# Allegro board 038RT-9068CJK8E-A100_0921.brd (continued)
## Routing (per net, layer and track width the routed paths; a pad name or vN(x,y) marks a point on that pad's centre or on a via; arc(x,y) is an arc through that point) (continued)
SG2_C_P7_HSO-: length 108.5
  TOP w0.14: v1(224.1,248.15) 224.02,248.08 arc(223.96,248.03) 223.88,248.02 220.34,248.02 arc(220.23,248.04) 220.12,248.11 213.65,254.59 arc(213.42,254.74) 213.15,254.79 130.67,254.79 arc(130.55,254.81) 130.45,254.88 126.14,259.19 arc(125.91,259.35) 125.64,259.4 124.17,259.4 arc(123.93,259.45) 123.73,259.58 UNK2CS111.1
  BOTTOM w0.14: UNK2K214.29 227.01,248.27 225.68,248.27 225.43,248.02 224.24,248.02 v1(224.1,248.15)
SG2_CKXTAL1: length 13.2
  BOTTOM w0.115: v1(85.4,268.62) 84.84,268.62 84.25,269.21 84.25,274.15 85.34,275.24 UNK2C75.2 85.34,279.77 UNK2Y6.3
SG2_CKXTAL2: length 19.2
  BOTTOM w0.115: v1(85.4,267.82) 84.18,267.82 83.22,268.78 83.22,274.58 84.31,275.67 UNK2C76.2 84.31,279.27 84.06,279.51 82.72,279.51 82.41,279.81 82.41,281.49 82.58,281.66 UNK2Y6.1
SG2_DCH_TDO: length 262.3
  L46_SIGNAL w0.102: 100.22,263.41 100.21,263.42 91.59,263.42 91.4,263.61 91.4,270.62 v1(91,271.02)
  L46_SIGNAL w0.145: v1(327.87,233.87) 323.77,237.97 297.15,237.97 292.49,242.63 268.92,242.63 252.69,258.87 157.15,258.87 152.4,254.13 130.31,254.13 124.99,259.45 107.29,259.45 104.24,262.5 101.13,262.5 100.22,263.41
  BOTTOM w0.115: v1(327.87,233.87) MUX16.4
SG2_DISB: length 26.9
  L03_SIGNAL w0.145: v2(110.98,238.11) 110.39,238.71 110.39,240.78 101,250.17 101,253 96.6,257.4 v1(96.6,259.02)
SG2_DVDD09: length 25.1
  TOP w0.508: SG2_DVDD09.1 126.86,266.98 126.07,267.77 119.35,267.77 118.98,267.4 107.27,267.4 v1(106.36,268.31)
  vias: v1(87,267.82) v1(87,266.22) v1(87,265.42) v1(89.4,267.02) v1(89.4,266.22) v1(89.4,265.42) v1(90.2,264.62) v1(91,265.42) v1(91,260.62) v1(91.8,265.42) v1(91.8,260.62) v1(92.6,265.42) v1(93.4,265.42) v1(94.2,267.82) v1(94.2,267.02) v1(94.2,266.22) v1(95,267.82) v1(95,267.02) v1(95,266.22) v1(104.07,267.79) v1(104.9,267.79) v1(105.73,268.31)
SG2_DVDD33: length 20.4
  TOP w0.508: v1(107.81,277.04) 108.66,276.2 118.03,276.2 119.13,277.29 125.47,277.29 SG2_DVDD33.1
  vias: v1(94.2,268.62) v1(95,271.82) v1(95,269.42) v1(95,268.62) v1(98.22,269.42) v1(106.35,276.52) v1(107.18,277.04)
SG2_FE_LED0: length 26.9
  L05_SIGNAL w0.102: v1(95,270.22) 95.4,270.62 95.4,273.84
  L05_SIGNAL w0.105: 95.4,273.84 95.4,275.44 98.35,278.39 98.35,288.06 97.72,288.68 97.72,294.71 v2(98.28,295.26)
SG2_FE_LED1: length 26.9
  L05_SIGNAL w0.102: 96.12,274.52 96.12,273.81 96.2,273.74 96.2,270.62 v1(95.8,270.22)
  L05_SIGNAL w0.105: 96.12,274.52 96.12,275.14 99.07,278.09 99.07,287.86 99.54,288.33 99.54,294.62 v2(100.19,295.26)
SG2_GPIO_VDDIO: length 22.8
  TOP w0.508: v1(109.99,258.03) 111.97,258.03 114.12,255.88 114.12,253.33 118.4,249.04 125.14,249.04 SG2_GPIO_VDDIO.1
  vias: v1(93.4,263.82) v1(94.2,265.42) v1(94.2,263.02) v1(94.2,260.62) v1(95.8,265.42) v1(95.8,260.62) v1(96.6,270.22) v1(96.6,263.02) v1(97.4,263.02) v1(97.4,260.62) v1(109.36,258.03)
SG2_GPIOA_0: length 34.2
  L09_SIGNAL w0.105: v2(124.95,263.2) 123.05,261.29 121.6,261.29 119.32,259.01 108.82,259.01 107.78,257.97 94.45,257.97 v1(93.4,259.02)
SG2_GPIOA_1: length 47.2
  L03_SIGNAL w0.145: v1(94.2,259.02) 94.4,258.82 94.4,256.64 95.86,255.18 95.86,253.48 98.96,250.38 98.96,247.46 v2(105.9,240.52)
  L09_SIGNAL w0.105: v2(128.76,238.11) 127.99,238.89 107.53,238.89 v2(105.9,240.52)
SG2_GPIOA_2: length 44.5
  L03_SIGNAL w0.145: v2(107.17,240.52) 99.56,248.14 99.56,250.63 96.45,253.73 96.45,255.43 95,256.89 v1(95,259.02)
  L09_SIGNAL w0.105: v2(107.17,240.52) 107.95,241.3 126.72,241.3 v2(127.49,240.52)
SG2_GPIOA_3: length 28.1
  L03_SIGNAL w0.145: v2(109.71,238.11) 109.04,238.79 109.04,240.88 100.2,249.72 100.2,252.67 95.8,257.07 v1(95.8,259.02)
  BOTTOM w0.115: UNK2R552.2 v2(109.71,238.11)
SG2_GPIOB_0: length 27
  L03_SIGNAL w0.102: 93,258.8 93,259.42 v1(93.4,259.82)
  L03_SIGNAL w0.145: v2(102.09,238.11) 101.46,238.75 101.46,241 96.47,245.99 96.47,248.7 93.77,251.41 93.77,255.25 93,256.02 93,258.8
  BOTTOM w0.115: UNK2R264.1 v2(102.09,238.11)
SG2_GPIOB_1: length 27.8
  L03_SIGNAL w0.102: 93.8,258.8 93.8,259.42 v1(94.2,259.82)
  L03_SIGNAL w0.145: 93.8,258.8 93.8,256.35 94.57,255.58 94.57,252.29 98.24,248.62 98.24,246.67 104,240.91 104,238.75 v2(104.63,238.11)
  BOTTOM w0.115: UNK2R62.1 v2(104.63,238.11)
SG2_GPIOB_2: length 44.2
  L03_SIGNAL w0.102: 100.22,261.02 95.52,261.02 95.4,260.89 95.4,260.22 v1(95,259.82)
  L03_SIGNAL w0.145: 100.22,261.02 102.5,261.02 108.47,255.06 112.24,255.06 115.98,251.31 115.98,242.23 116.7,241.51 116.7,239.7 117.56,238.85 121.68,238.85 v2(122.41,238.11)
SG2_GPIOC_0: length 26.7
  L05_SIGNAL w0.102: v1(93.4,261.42) 93.8,261.02 93.8,258.6
  L05_SIGNAL w0.105: 93.8,258.6 93.8,256.45 94.51,255.73 94.51,245.01 97.67,241.86 97.67,238.73 v2(98.28,238.11)
  BOTTOM w0.115: UNK2R568.1 v2(98.28,238.11)
SG2_GPIOC_1: length 30
  L03_SIGNAL w0.102: 92.2,258.8 92.2,261.7 92.32,261.82 93,261.82 v1(93.4,262.22)
  L03_SIGNAL w0.145: v2(100.82,238.11) 100.19,238.75 100.19,240.94 95.68,245.44 95.68,248.09 92.68,251.09 92.68,255.44 92.2,255.92 92.2,258.8
  BOTTOM w0.115: UNK2R569.1 v2(100.82,238.11)
SG2_GPIOC_2: length 28.5
  L05_SIGNAL w0.102: 94.6,258.6 94.6,261.02 v1(94.2,261.42)
  L05_SIGNAL w0.105: v2(103.36,238.11) 102.78,238.7 102.78,244.58 95.83,251.53 95.83,255.45 94.6,256.68 94.6,258.6
  BOTTOM w0.115: UNK2R570.1 v2(103.36,238.11)
SG2_GPIOC_3: length 32.2
  L03_SIGNAL w0.102: 91.4,258.8 91.4,262.46 91.56,262.62 93.8,262.62 v1(94.2,262.22)
  L03_SIGNAL w0.145: 91.4,258.8 91.4,255.68 91.88,255.2 91.88,250.76 94.48,248.16 94.48,245.38 98.92,240.94 98.92,238.75 v2(99.55,238.11)
  BOTTOM w0.115: UNK2R571.1 v2(99.55,238.11)
SG2_GPIOC_4: length 30.3
  L05_SIGNAL w0.102: v1(95,261.42) 95.4,261.02 95.4,258.6
  L05_SIGNAL w0.105: v2(108.44,238.11) 107.79,238.77 107.79,241.01 96.51,252.29 96.51,255.58 95.4,256.7 95.4,258.6
  BOTTOM w0.115: UNK2R572.1 v2(108.44,238.11)
SG2_GPIOC_5: length 48.4
  L03_SIGNAL w0.102: v1(95,262.22) 95.4,262.62 100.22,262.62
  L03_SIGNAL w0.145: 100.22,262.62 103.17,262.62 108.42,257.36 112.81,257.36 118.56,251.62 118.56,242.29 119.75,241.09 124.17,241.09 124.32,240.95 124.32,238.75 v2(124.95,238.11)
  BOTTOM w0.115: UNK2R554.1 v2(124.95,238.11)
SG2_GPIOD_0: length 29
  L05_SIGNAL w0.102: 96.2,258.6 96.2,261.02 v1(95.8,261.42)
  L05_SIGNAL w0.105: v2(110.98,240.52) 110.39,239.93 109.3,239.93 109.06,240.17 109.06,241.2 97.72,252.54 97.72,255.41 96.2,256.93 96.2,258.6
SG2_GPIOD_1: length 44.3
  L03_SIGNAL w0.102: 100.22,261.82 96.2,261.82 v1(95.8,262.22)
  L03_SIGNAL w0.145: v2(123.68,238.11) 123.05,238.74 123.05,239.07 123.05,239.07 122.41,239.7 118.6,239.7 117.97,240.34 117.97,240.97 117.76,241.19 117.76,251.28 112.48,256.56 108.09,256.56 102.83,261.82 100.22,261.82
SG2_GPIOD_2: length 51
  L07_SIGNAL w0.102: v1(96.6,265.42) 97,265.82 100.22,265.82
  L07_SIGNAL w0.105: v2(131.3,238.11) 130.67,238.75 130.67,243.73 125.11,249.29 116.88,249.29 111.3,254.88 108.62,254.88 101.63,261.87 101.63,264.89 100.7,265.82 100.22,265.82
SG2_GPIOE_0: length 50.5
  L03_SIGNAL w0.102: v1(96.6,263.82) 97,263.42 100.22,263.42
  L03_SIGNAL w0.145: 100.22,263.42 103.75,263.42 105.4,261.76 109.2,261.76 112.08,258.89 118.31,258.89 119.57,257.63 119.57,242.54 120.39,241.73 124.95,241.73 125.59,241.09 125.59,238.75 v2(126.22,238.11)
SG2_GPIOE_1: length 51.5
  L03_SIGNAL w0.102: 100.22,264.22 97,264.22 v1(96.6,264.62)
  L03_SIGNAL w0.145: v2(127.49,238.11) 126.86,238.75 126.86,240.8 124.78,242.88 121.14,242.88 120.37,243.65 120.37,257.96 118.64,259.69 112.41,259.69 109.53,262.56 105.73,262.56 104.08,264.22 100.22,264.22
SG2_GPIOE_2: length 45.1
  L07_SIGNAL w0.102: v1(95,263.82) 95.4,263.42 95.4,258.6
  L07_SIGNAL w0.105: 95.4,258.6 95.4,258.42 98.92,254.9 98.92,248.34 102.35,244.91 119.3,244.91 v2(123.68,240.52)
SG2_GPIOE_3: length 44.8
  L07_SIGNAL w0.102: 94.6,258.6 94.6,263.42 v1(94.2,263.82)
  L07_SIGNAL w0.105: v2(122.41,240.52) 118.66,244.28 101.9,244.28 98.16,248.02 98.16,254.58 94.6,258.14 94.6,258.6
SG2_GPIOE_4: length 47.8
  L07_SIGNAL w0.102: 96.35,258.6 96.2,258.75 96.2,263.42 v1(95,264.62)
  L07_SIGNAL w0.105: v2(126.22,240.52) 125.68,240.52 120.72,245.48 102.91,245.48 99.72,248.67 99.72,255.23 96.35,258.6
SG2_GPIOF_0: length 50.9
  L07_SIGNAL w0.102: v1(94.2,264.62) 93.8,264.22 93.8,258.6
  L07_SIGNAL w0.105: v2(121.14,238.11) 120.51,238.75 120.51,241.2 118.67,243.04 99.04,243.04 96.48,245.61 96.48,255.4 93.8,258.08 93.8,258.6
  BOTTOM w0.115: UNK2R577.1 v2(121.14,238.11)
SG2_GPIOF_1: length 50.4
  L07_SIGNAL w0.102: v1(93.4,264.62) 93,264.22 93,258.6
  L07_SIGNAL w0.105: 93,258.6 93,257.9 95.68,255.23 95.68,245.27 98.56,242.39 117.73,242.39 119.24,240.89 119.24,238.75 v2(119.87,238.11)
  BOTTOM w0.115: UNK2R576.1 v2(119.87,238.11)
SG2_GPIOF_2: length 50.5
  L07_SIGNAL w0.102: v1(92.6,264.62) 92.2,264.22 92.2,258.6
  L07_SIGNAL w0.105: v2(118.6,238.11) 117.97,238.75 117.97,240.67 116.93,241.71 97.26,241.71 94.58,244.38 94.58,255.4 92.2,257.78 92.2,258.6
  BOTTOM w0.115: UNK2R575.1 v2(118.6,238.11)
SG2_GPIOF_3: length 50.3
  L07_SIGNAL w0.102: v1(91.8,264.62) 91.4,264.22 91.4,258.6
  L07_SIGNAL w0.105: v2(117.33,238.11) 116.7,238.75 116.7,240.76 116.35,241.1 96.73,241.1 93.78,244.05 93.78,255.16 91.4,257.55 91.4,258.6
  BOTTOM w0.115: UNK2R574.1 v2(117.33,238.11)
SG2_GPIOF_4: length 51.1
  L07_SIGNAL w0.102: 100.22,265.02 95.4,265.02 v1(95,265.42)
  L07_SIGNAL w0.105: 100.22,265.02 100.37,265.02 100.83,264.56 100.83,261.54 108.29,254.08 110.96,254.08 116.55,248.49 124.78,248.49 129.4,243.87 129.4,238.75 v2(130.03,238.11)
SG2_HL_P1_TXD0: length 7.5
  BOTTOM w0.115: UNK2RRG51.1 UNK2RRG52.1 185.84,285.11 186.05,284.89 189.6,284.89 UNK2K225.2
SG2_HL_P1_TXD1: length 7.5
  BOTTOM w0.115: UNK2RRG53.1 UNK2RRG54.1 185.79,283.82 186.05,284.08 189.55,284.08 UNK2K225.7
SG2_HL_P1_TXD2: length 7.5
  BOTTOM w0.115: UNK2RRG55.1 UNK2RRG56.1 201.08,285.11 201.29,284.89 204.84,284.89 UNK2K226.2
SG2_HL_P1_TXD3: length 7.5
  BOTTOM w0.115: UNK2K226.7 204.79,284.08 201.29,284.08 201.03,283.82 UNK2RRG58.1 UNK2RRG57.1
SG2_HL_P5_TXD0: length 7.5
  BOTTOM w0.115: UNK2K227.2 153.74,284.84 150.19,284.84 149.98,285.06 UNK2RRG92.1 UNK2RRG91.1
SG2_HL_P5_TXD1: length 7.5
  BOTTOM w0.115: UNK2RRG93.1 UNK2RRG94.1 149.94,283.77 150.19,284.03 153.7,284.03 UNK2K227.7
SG2_HL_P5_TXD2: length 7.5
  BOTTOM w0.115: UNK2K228.2 168.98,284.84 165.43,284.84 165.22,285.06 UNK2RRG96.1 UNK2RRG95.1
SG2_HOLD: length 40.3
  L03_SIGNAL w0.102: 94.6,273.74 94.6,271.42 v1(95,271.02)
  L03_SIGNAL w0.145: 94.6,273.74 94.6,274.94 92.39,277.15 89.14,277.15 88.5,276.51 84.27,276.51 83.67,275.91 74.87,275.91 71.57,279.22 68.4,279.22 67.93,279.69 67.93,280.7 v1(64.02,284.61)
SG2_INH: length 25.5
  L05_SIGNAL w0.102: v1(91.8,261.42) 92.2,261.02 92.2,258.6
  L05_SIGNAL w0.105: v2(97.01,238.11) 96.44,238.68 96.44,240.92 92.54,244.82 92.54,255.59 92.2,255.94 92.2,258.6
SG2_LDOIN: length 20.2
  TOP w0.508: v1(107.81,273) 108.65,273.84 119.09,273.84 119.56,274.31 125.27,274.31 SG2_LDOIN.1
  vias: v1(91,268.62) v1(91,267.82) v1(91.8,268.62) v1(91.8,267.82) v1(91.8,263.82) v1(92.6,263.82) v1(107.18,273)
SG2_MCT1: length 5
  TOP w0.115: UNK2T13.2 v2(54.63,331.63) ; UNK2R135.1 v2(57.8,331.63)
  L03_SIGNAL w0.145: v2(57.8,331.63) v2(54.63,331.63)
SG2_MCT2: length 11.8
  TOP w0.115: UNK2R136.1 v2(51.77,331.63) ; UNK2T13.7 v2(60.98,331.63)
  L03_SIGNAL w0.145: v2(60.98,331.63) 60.15,331.63 59.29,332.49 52.63,332.49 v2(51.77,331.63)
SG2_MCT_RC: length 8.8
  L03_SIGNAL w0.145: v2(49.55,330.38) 49.88,330.04 v2(51.77,330.04) 52.31,330.58 57.26,330.58 v2(57.8,330.04)
SG2_NGATE: length 27.1
  L05_SIGNAL w0.102: v1(89.4,262.22) 89,261.82 88.31,261.82 88.2,261.71 88.2,258.6
  L05_SIGNAL w0.105: 88.2,258.6 88.2,243.12 v2(93.2,238.11)
SG2_P0_LDOOUT: length 1.8
  TOP w0.508: UNK2CG101.1 88.13,238.12 v2(88.12,238.11)
  vias: v1(91,264.62) v1(91,263.82)
SG2_P0_LED: length 26.8
  L05_SIGNAL w0.102: 90.53,273.84 90.6,273.78 90.6,270.62 v1(91,270.22)
  L05_SIGNAL w0.105: 90.53,273.84 90.46,273.91 90.46,275.84 88.74,277.56 88.74,293.38 v2(86.85,295.26)
SG2_P0_MDI+: length 23.4
  TOP w0.105: UNK2T2.4 67.18,252.54 69.9,252.54 73.29,255.94 82.23,255.94 84.23,257.94 84.23,260.07 84.61,260.45 85.23,260.45 v1(85.4,260.62)
SG2_P0_MDI-: length 23.4
  TOP w0.105: UNK2T2.3 67.19,252.08 70.09,252.08 73.48,255.47 82.42,255.47 84.7,257.75 84.7,259.88 84.81,259.99 85.23,259.99 v1(85.4,259.82)
SG2_P0_RXC: length 155.3
  L09_SIGNAL w0.105: v2(126.86,244.15) 124.68,246.33 119.71,246.33 111.98,254.07 108.61,254.07 106.42,256.25 92.97,256.25 v1(90.2,259.02)
  L13_SIGNAL w0.105: v2(126.86,244.15) 126.33,244.67 126.33,247.97 125.56,248.74 122.94,248.74 122.05,249.63 122.05,250.72 119.82,252.95 119.82,273.49 120.56,274.24 123.76,274.24 124.35,273.65 124.35,272.28 125.41,271.21 128.71,271.21 130.1,269.82 143.16,269.82 154.37,258.61 178.84,258.61 182.36,262.13 187.22,262.13 UNK2K181.7
SG2_P0_RXD0: length 171.5
  L09_SIGNAL w0.102: v1(92.6,259.82) 93,260.22 93,261.67 93.14,261.82 100.22,261.82
  L09_SIGNAL w0.105: v2(126.86,269.55) 125.08,267.77 121.27,267.77 117.02,263.52 106.27,263.52 104.57,261.82 100.22,261.82
  L13_SIGNAL w0.105: v2(126.86,269.55) 126.86,267.76 127.7,266.91 127.7,254.41 138.32,243.79 167.77,243.79 168.42,244.45 168.42,246.64 168.01,247.05 157.55,247.05 156.55,248.04 156.55,252.13 157.24,252.82 167.9,252.82 169.46,254.37 192.05,254.37 199.73,262.04 202.89,262.04 UNK2K180.7
SG2_P0_RXD1: length 151.9
  L09_SIGNAL w0.105: v1(92.6,259.02) 94.24,257.38 111.36,257.38 116.43,252.31 125.05,252.31 v2(126.86,250.5)
  L13_SIGNAL w0.105: v2(126.86,250.5) 125.13,252.23 122.88,252.23 120.38,254.73 120.38,273.25 120.8,273.67 123.52,273.67 123.78,273.41 123.78,272.04 125.18,270.65 127.82,270.65 128.75,269.72 128.75,265.73 129.27,265.21 132.75,265.21 133.46,265.91 133.46,268.21 134.24,268.99 142.25,268.99 157.63,253.61 166.64,253.61 168.93,255.9 184.18,255.9 UNK2K181.2
SG2_P0_RXD2: length 134.4
  L09_SIGNAL w0.102: v1(91.8,259.82) 92.2,260.22 92.2,263.28 92.34,263.42 100.05,263.42 100.06,263.42 100.22,263.42
  L09_SIGNAL w0.105: v2(124.95,272.72) 123.1,270.88 120.8,270.88 119.16,269.24 119.16,267.71 118.36,266.91 111.52,266.91 109.73,265.12 105.61,265.12 103.91,263.42 100.22,263.42
  L13_SIGNAL w0.105: v2(124.95,272.72) 125.35,272.33 126.29,272.33 126.79,272.83 126.79,278.33 127.54,279.08 133.46,279.08 133.98,278.55 133.98,272.27 134.78,271.48 143.84,271.48 146.93,268.39 153.48,268.39 154.65,267.22 154.65,260.67 155.35,259.97 158.75,259.97 158.89,260.11 158.89,276.63 159.97,277.7 173.82,277.7 174.53,276.99 174.53,274.42 UNK2K182.2
SG2_P0_RXD3: length 152.2
  L09_SIGNAL w0.105: v1(91.8,259.02) 94,256.82 106.66,256.82 108.84,254.63 112.81,254.63 120.12,247.32 v2(121.14,247.32)
  L13_SIGNAL w0.105: v2(121.14,247.32) 119.18,249.28 119.18,275.24 121.5,277.56 124.63,277.56 127.01,279.94 133.41,279.94 134.97,278.38 134.97,273.16 135.61,272.52 144.63,272.52 147.16,269.99 150.47,269.99 151.22,270.74 151.22,276.72 152.97,278.47 181.8,278.47 182.84,277.43 182.84,275.33 183.7,274.47 187.2,274.47 UNK2K183.2
SG2_P0_RXDV: length 173.1
  L09_SIGNAL w0.102: 100.22,264.22 100.06,264.22 100.05,264.22 91.6,264.22 91.4,264.02 91.4,260.22 v1(91,259.82)
  L09_SIGNAL w0.105: v2(123.05,272.72) 122,271.68 120.46,271.68 118.36,269.58 118.36,268.04 118.03,267.71 111.19,267.71 109.4,265.92 105.28,265.92 103.58,264.22 100.22,264.22
  L13_SIGNAL w0.105: UNK2K180.2 204.53,255.3 202.55,253.32 170.25,253.32 169.06,252.13 164.19,252.13 163.55,251.5 163.55,249.15 164.19,248.52 170.24,248.52 171.1,247.66 171.1,243.35 170.44,242.69 137.31,242.69 126.49,253.51 126.49,266.53 124.05,268.97 124.05,270.33 123.05,271.33 v2(123.05,272.72)
SG2_P0_TESTD: length 21.1
  L05_SIGNAL w0.102: v1(90.2,259.82) 90.6,259.42 90.6,258.6
  L05_SIGNAL w0.105: v2(94.47,240.52) 94.47,241.17 90.6,245.05 90.6,258.6
SG2_P0_TXC: length 123.7
  L09_SIGNAL w0.102: 100.22,265.02 100.06,265.02 100.05,265.02 89.18,265.02 89,264.84 89,260.22 v1(88.6,259.82)
  L09_SIGNAL w0.105: v2(121.14,272.72) 120.31,272.72 116.51,268.93 104.53,268.93 100.63,265.02 100.22,265.02
  L11_SIGNAL w0.105: v2(121.14,272.72) 122.53,271.34 124.76,271.34 126.05,270.05 126.05,255.04 128.62,252.47 153.23,252.47 156.13,255.37 156.13,267.02 157.37,268.26 171.43,268.26 UNK2K233.2
SG2_P0_TXD0: length 138.3
  L09_SIGNAL w0.102: 100.22,265.82 100.06,265.82 100.05,265.82 88.36,265.82 88.2,265.66 88.2,260.22 v1(87.8,259.82)
  L09_SIGNAL w0.105: 100.22,265.82 100.4,265.82 104.31,269.73 115.9,269.73 120.21,274.03 123.08,274.03 v2(124.95,275.9)
  L11_SIGNAL w0.105: UNK2K182.7 171.63,277.47 164.65,277.47 163,275.82 163,271.79 161.76,270.55 155.16,270.55 153.82,269.21 153.82,258.2 153.24,257.62 150.61,257.62 150.08,258.14 150.08,260.02 149.37,260.73 145.7,260.73 145.18,260.2 145.18,256.02 143.64,254.49 130.45,254.49 128.73,256.21 128.73,272.12 v2(124.95,275.9)
SG2_P0_TXD1: length 160.5
  L09_SIGNAL w0.105: v1(87.8,259.02) 87.8,255.85 89.89,253.75 98.25,253.75 107.3,244.71 120.59,244.71 v2(121.14,244.15)
  L11_SIGNAL w0.105: v2(121.14,244.15) 122.59,245.6 128.19,245.6 132.89,250.3 163.76,250.3 166.32,252.86 175.99,252.86 176.68,253.54 176.68,257.74 176.01,258.41 160.28,258.41 158.49,260.2 158.49,263.69 160.18,265.38 177.01,265.38 180.09,268.46 187.34,268.46 UNK2K231.7
SG2_P0_TXD2: length 138.8
  L09_SIGNAL w0.102: v1(87,259.82) 87.4,260.22 87.4,266.44 87.58,266.62 100.05,266.62 100.06,266.62 100.07,266.62 100.22,266.77
  L09_SIGNAL w0.105: v2(123.05,275.9) 121.98,274.83 119.88,274.83 115.57,270.53 103.97,270.53 100.22,266.77
  L11_SIGNAL w0.105: v2(123.05,275.9) 127.84,271.11 127.84,255.68 129.86,253.66 145.57,253.66 146.48,254.58 146.48,259.33 146.88,259.73 148.51,259.73 148.85,259.39 148.85,255.62 149.9,254.57 153.38,254.57 154.98,256.18 154.98,268.49 156.03,269.54 163.35,269.54 164.95,271.13 171.77,271.13 UNK2K233.7
SG2_P0_TXD3: length 125.2
  L09_SIGNAL w0.105: v2(123.05,244.15) 121.94,243.04 106.61,243.04 97.56,252.09 90.08,252.09 87,255.17 v1(87,259.02)
  L11_SIGNAL w0.105: v2(123.05,244.15) 124.28,242.92 127.63,242.92 133.52,248.8 166.8,248.8 168.62,250.61 179.9,250.61 181.53,252.24 181.53,258.94 178.62,261.85 174.38,261.85 UNK2K232.2
SG2_P0_TXEN: length 136
  L09_SIGNAL w0.105: v1(88.6,259.02) 88.6,257.02 89.97,255.64 106.17,255.64 108.36,253.46 111.54,253.46 119.27,245.72 123.38,245.72 v2(124.95,244.15)
  L11_SIGNAL w0.105: UNK2K232.7 171.87,264.82 167.14,264.82 165.78,263.47 165.78,259.93 166.52,259.19 179.91,259.19 180.84,258.26 180.84,253.13 179.85,252.15 167.01,252.15 164.33,249.47 133.31,249.47 128.72,244.88 125.68,244.88 v2(124.95,244.15)
SG2_P0_VDDIO: length 0.8
  BOTTOM w0.508: v1(86.2,259.02) 86.2,258.24 UNK2CG138.1
  vias: v1(83.49,255.01) v1(83.49,254.38) v1(89.4,259.82) v1(89.4,259.02)
SG2_P1_LDOOUT: length 28.3
  L05_SIGNAL w0.102: 100.22,269.02 93.8,269.02 v1(93.4,268.62)
  L05_SIGNAL w0.105: 100.22,269.02 100.88,269.02 101.6,269.74 120.95,269.74 v2(121.14,269.55)
  vias: v1(92.6,268.62)
SG2_P1_LED: length 25.5
  L05_SIGNAL w0.102: v1(91.8,271.02) 92.2,271.42 92.2,273.84
  L05_SIGNAL w0.105: 92.2,273.84 92.2,276.56 90.87,277.88 90.87,288.12 91.41,288.66 91.41,294.51 v2(90.66,295.26)
SG2_P1_MDI+: length 30.2
  L46_SIGNAL w0.102: v1(86.2,261.42) 85.8,261.02 85.18,261.02 85,260.85 84.98,260.85
  L46_SIGNAL w0.136: v1(66.79,247.72) 66.79,247.54 67,247.33 69.29,247.33 69.99,248.03 69.99,254.15 71.85,256.01 81.4,256.01 83.32,257.93 83.32,259.78 84.38,260.85 84.98,260.85
SG2_P1_MDI-: length 30.2
  L46_SIGNAL w0.102: v1(86.2,260.62) 85.8,260.22 85.18,260.22 85,260.39 84.98,260.39
  L46_SIGNAL w0.136: 84.98,260.39 84.57,260.39 83.77,259.59 83.77,257.74 81.59,255.56 72.04,255.56 70.44,253.96 70.44,247.84 69.48,246.88 67.03,246.88 66.79,246.65 v1(66.79,246.47)
SG2_P1_RXC: length 75.4
  L07_SIGNAL w0.102: 96.97,274.52 96.97,273 v1(96.6,272.62)
  L07_SIGNAL w0.105: v2(123.05,282.25) 122,281.2 120.65,281.2 119.97,280.52 119.97,278.05 117.69,275.77 109.57,275.77 108.97,276.37 108.97,278.28 109.26,278.58 113.98,278.58 114.47,279.06 114.47,287.05 110.9,290.62 105.23,290.62 104.72,291.13 v1(104.26,291.13) 104.26,290.86 105,290.12 105,282.95 104.31,282.25 100.45,282.25 100.22,282.02 100.22,280.44 100.57,280.09 101.86,280.09 102.42,279.53 102.42,276.81 102,276.39 98.44,276.39 96.97,274.92 96.97,274.52
  BOTTOM w0.115: v1(104.26,291.13) UNK2RR504.2
SG2_P1_RXD0: length 61
  L07_SIGNAL w0.102: 95.55,273.84 95.55,273.73 95.4,273.58 95.4,273.18 95.25,273.03 94.6,273.03 v1(94.2,272.62)
  L07_SIGNAL w0.105: 95.55,273.84 95.55,276.09 98.21,278.75 98.21,279.97 96.48,281.7 96.48,283.78 96.9,284.2 97.75,284.2 98.21,284.65 98.21,287.81 98.73,288.33 100.59,288.33 101.08,288.83 101.08,290.17 100.7,290.55 98.75,290.55 v1(98.16,291.13) 98.93,291.9 102.21,291.9 102.69,292.38 111.04,292.38 119.8,283.62 122.35,283.62 123.71,282.26 123.71,279.74 v2(123.05,279.07)
  BOTTOM w0.115: v1(98.16,291.13) UNK2RR500.2
SG2_P1_RXD1: length 66.1
  L07_SIGNAL w0.102: 94.2,273.84 v1(94.2,273.42)
  L07_SIGNAL w0.105: v1(100.2,289.07) 99.68,289.58 93.72,289.58 93.39,289.25 93.39,288.56 94.01,287.94 94.01,283.97 94.22,283.75 94.22,281.93 94.2,281.9 94.2,273.84
  L09_SIGNAL w0.105: v1(100.2,289.07) 100.39,289.07 100.93,288.53 107.23,288.53 107.65,288.95 112.8,288.95 113.09,289.24 113.09,289.73 112.86,289.96 109.68,289.96 109.52,290.12 109.52,290.82 109.75,291.05 125.81,291.05 127.14,289.72 127.14,286.18 126.39,285.42 v2(124.95,285.42)
  BOTTOM w0.115: v1(100.2,289.07) UNK2RR501.2
SG2_P1_RXD2: length 53.4
  L07_SIGNAL w0.102: v1(95,272.62) 94.6,272.22 93.98,272.22 93.8,272.4 93.8,273.45 93.79,273.46 93.79,273.58 93.64,273.73 93.64,273.84
  L07_SIGNAL w0.105: 93.64,273.84 93.64,277.4 92.78,278.27 92.78,281.07 91.57,282.28 91.57,283.93 92.54,284.9 92.54,289.94 93.29,290.68 95.53,290.68 95.98,291.13 v1(96.13,291.13) 97.38,291.13 98.7,292.45 101.98,292.45 102.46,292.94 111.27,292.94 118.78,285.42 v2(121.14,285.42)
  BOTTOM w0.115: v1(96.13,291.13) UNK2RR502.2
SG2_P1_RXD3: length 46.7
  L07_SIGNAL w0.102: 95,273.84 v1(95,273.42)
  L07_SIGNAL w0.105: 95,273.84 95,284.07 94.58,284.49 94.58,288.59 v1(94.1,289.07)
  L09_SIGNAL w0.105: v1(94.1,289.07) 94.9,288.27 100.41,288.27 100.7,287.97 120.72,287.97 123.05,285.64 v2(123.05,285.42)
  BOTTOM w0.115: v1(94.1,289.07) UNK2RR503.2
SG2_P1_RXDV: length 71.4
  L07_SIGNAL w0.102: 96.19,274.52 96.19,273.01 v1(95.8,272.62)
  L07_SIGNAL w0.105: v2(121.14,282.25) 120.39,282.25 119.2,281.07 119.2,278.92 118.78,278.5 115.61,278.5 115.18,278.93 115.18,287.45 110.81,291.83 102.92,291.83 v1(102.23,291.13) 103.19,290.17 103.19,288.08 102.61,287.49 99.44,287.49 99.16,287.21 99.16,286.71 99.42,286.45 103.11,286.45 103.41,286.15 103.41,285.7 103.14,285.42 99.47,285.42 99.16,285.11 99.16,284.74 99.44,284.45 101.53,284.45 101.71,284.28 101.71,283.72 101.43,283.44 97.7,283.44 97.31,283.05 97.31,282.15 99.16,280.3 99.16,278.27 96.19,275.3 96.19,274.52
  BOTTOM w0.115: v1(102.23,291.13) UNK2RR505.2
SG2_P1_TESTD: length 24.3
  L05_SIGNAL w0.102: v1(98.2,272.62) 98.6,273.02 98.6,273.84
  L05_SIGNAL w0.105: 98.6,273.84 98.6,276.4 99.9,277.71 99.9,286.89 101.72,288.71 101.72,294.89 v2(102.09,295.26)
SG2_P1_TXC: length 244.7
  L07_SIGNAL w0.105: v2(124.95,282.25) 125.57,281.63 125.57,278.86 124.38,277.67 121.32,277.67 118.29,274.64 98.16,274.64 97.4,273.88 v1(97.4,273.42)
  L15_SIGNAL w0.105: v1(274.78,284.9) 270.59,289.09 239.22,289.09 235.8,285.67 223.96,285.67 221.86,283.58 221.86,279.83 220.77,278.74 220.77,265.91 219.8,264.95 206.81,264.95 206.2,264.34 206.2,262.86 206.75,262.31 212.08,262.31 213.16,261.23 213.16,258.64 212.41,257.88 142.03,257.88 139.44,260.47 130.94,260.47 127.6,263.81 127.6,280.32 125.67,282.25 v2(124.95,282.25)
  BOTTOM w0.115: v1(274.78,284.9) UNK2RR524.2
SG2_P1_TXD0: length 172.1
  L09_SIGNAL w0.105: SG2_P1_TXD0.1 191.46,284.56 187.58,284.56 182.72,279.7 182.72,266.97 177.85,262.1 167.46,262.1 165.96,263.6 149.8,263.6 148.97,262.78 148.97,261.25 149.87,260.36 163.24,260.36 163.71,259.89 163.71,258.55 163.29,258.13 148.41,258.13 145.96,260.58 145.96,281.97 145.06,282.87 142.32,282.87 141.18,281.73 139.06,281.73 138.49,281.17 135.04,281.17 133.9,280.02 126.44,280.02 126.1,279.68 119.58,279.68 116.2,276.3 112.82,276.3 110.56,274.04 99.61,274.04 v1(99,273.42)
SG2_P1_TXD1: length 151.1
  L09_SIGNAL w0.102: v1(99,272.62) 99.4,273.03 99.96,273.03 100.11,273.17 100.22,273.17
  L09_SIGNAL w0.105: SG2_P1_TXD1.1 190.27,280.17 190.27,262.92 189.57,262.22 183.6,262.22 180.45,259.07 176.58,259.07 175.79,258.29 175.79,256.05 174.91,255.17 141,255.17 139.4,256.77 139.4,269.83 142.72,273.15 144.43,273.15 144.62,273.34 144.62,277.33 141.67,280.28 139.44,280.28 139.11,280.61 136.42,280.61 135.21,279.41 127.64,279.41 126.71,278.47 120.46,278.47 119.91,277.92 118.61,277.92 116.31,275.63 112.93,275.63 110.79,273.48 104.18,273.48 103.88,273.17 100.22,273.17
SG2_P1_TXD2: length 190.8
  L09_SIGNAL w0.105: v1(99.8,272.62) 104.57,272.62 104.87,272.32 110.41,272.32 112.67,274.57 117.35,274.57 120.69,277.92 127.02,277.92 127.96,278.85 131.89,278.85 133.22,277.52 133.22,255.74 134.92,254.05 193.12,254.05 193.5,254.43 193.5,255.2 193.14,255.56 179.09,255.56 178.61,256.05 178.61,257.17 179.03,257.59 193.95,257.59 194.51,258.16 194.51,268.81 195.58,269.88 201.83,269.88 202.41,270.45 202.41,280.85 206.07,284.5 206.65,284.5 SG2_P1_TXD2.1
SG2_P1_TXD3: length 160
  L09_SIGNAL w0.102: v1(99,271.82) 99.4,271.41 105.9,271.41